# Altium PCB Motor_Controller_v2_1b.PcbDoc (part 1 of 2) (continued)
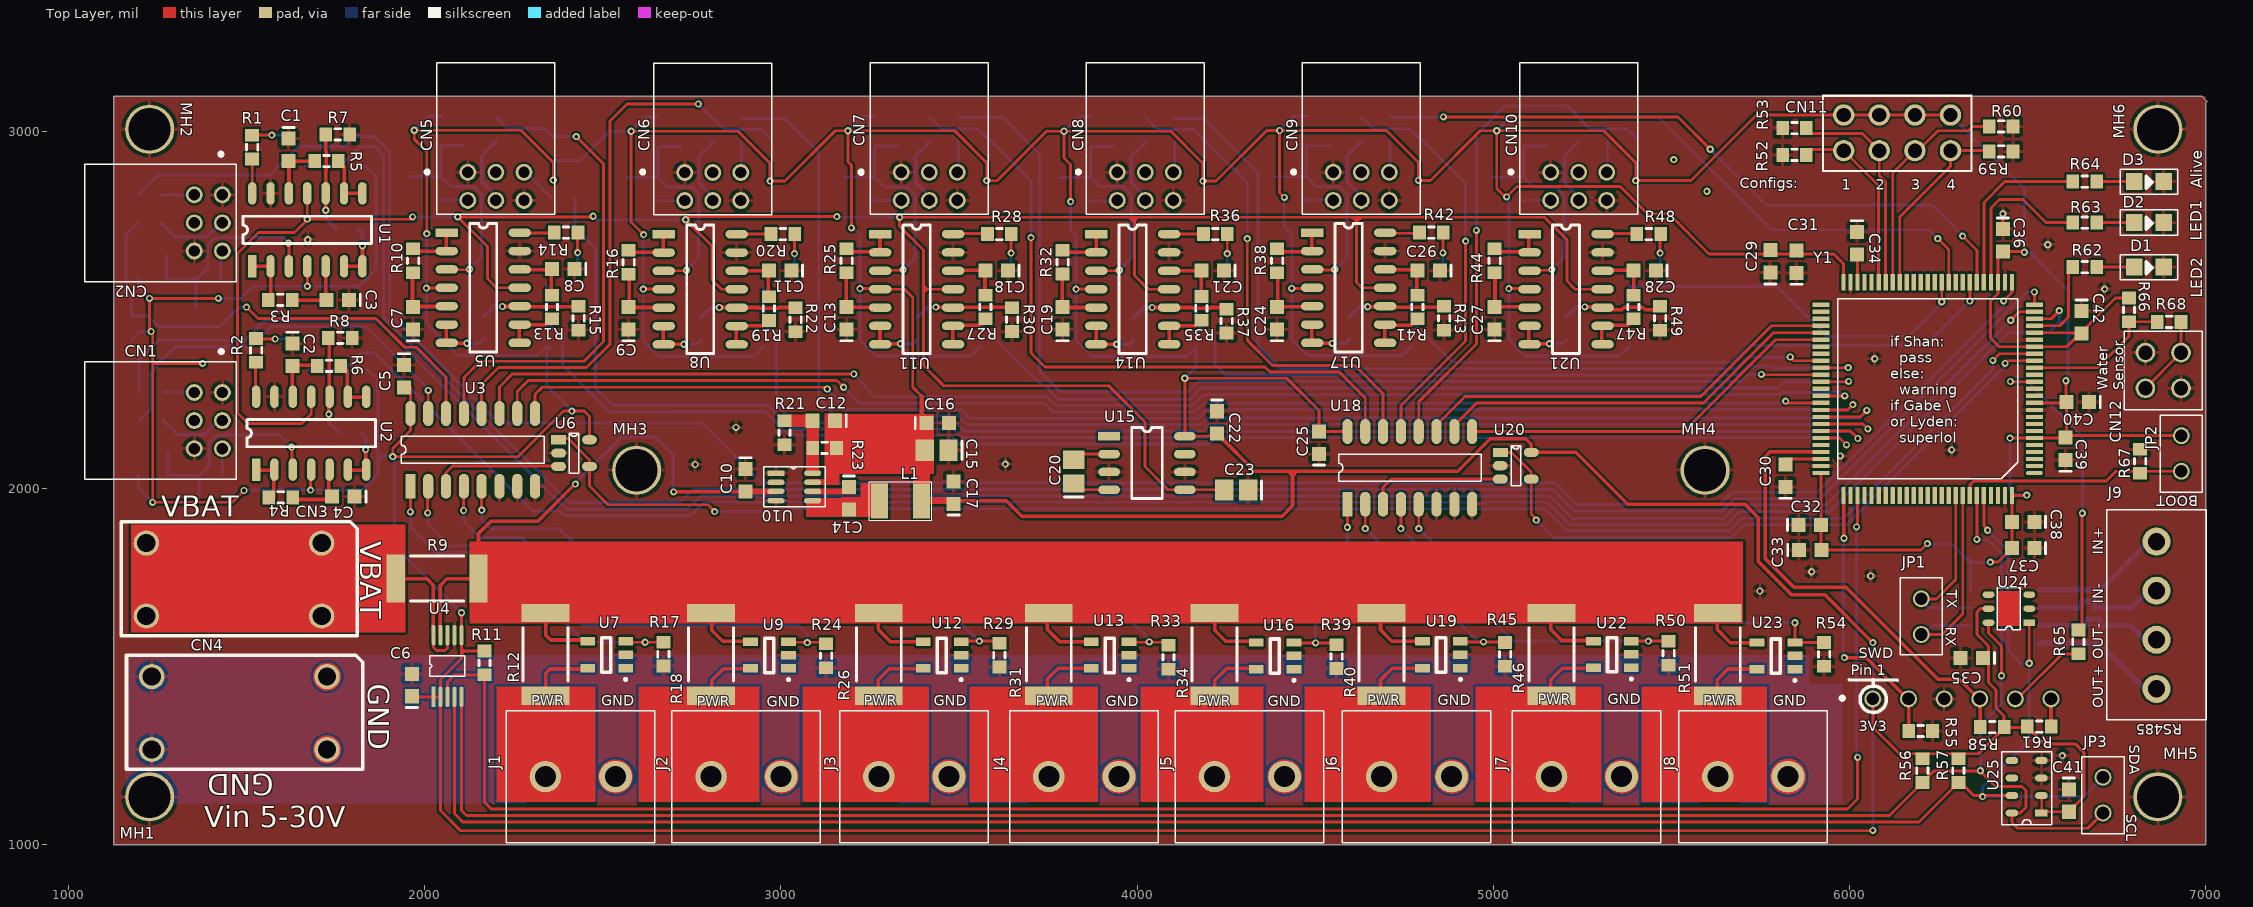
[diagram p0: Top Layer view]
## Components (designator, comment, footprint, x,y, rotation, side; value= is the part's Value field where it differs from the comment) (continued)
R53 "10k" "RESC1608N(0603\")" 5845,3010 r0 top (schematic designator R3)
R54 "20kR" "RESC1608N(0603\")" 5928,1533 r90 top
R55 "10k" "RESC1608N(0603\")" 6199.05,1318 r180 top (schematic designator R19)
R56 "10k" "RESC1608N(0603\")" 6204,1207 r90 top (schematic designator R8)
R57 "10k" "RESC1608N(0603\")" 6305,1207 r90 top (schematic designator R9)
R58 "10k" "RESC1608N(0603\")" 6400,1329 r0 top (schematic designator R20)
R59 "10k" "RESC1608N(0603\")" 6425,2945 r180 top (schematic designator R1)
R60 "10k" "RESC1608N(0603\")" 6425,3015 r180 top (schematic designator R2)
R61 "10k" "RESC1608N(0603\")" 6532,1330 r180 top (schematic designator R22)
R62 "715R" "RESC1608N(0603\")" 6660,2620 r180 top (schematic designator R26)
R63 "715R" "RESC1608N(0603\")" 6660,2745 r180 top (schematic designator R23)
R64 "715R" "RESC1608N(0603\")" 6660,2860 r180 top (schematic designator R24)
R65 "10k" "RESC1608N(0603\")" 6642,1568 r90 top (schematic designator R28)
R66 "100k" "RESC1608N(0603\")" 6784,2500 r270 top (schematic designator R25)
R67 "10k" "RESC1608N(0603\")" 6815,2075 r270 top (schematic designator R27)
R68 "10k" "RESC1608N(0603\")" 6896.54,2466.54 r0 top (schematic designator R29)
R69 "10k" "RESC1608N(0603\")" 5400.76,2952.98 r270 bottom
R70 "10k" "RESC1608N(0603\")" 5381.08,2433.29 r270 bottom
R71 "10k" "RESC1608N(0603\")" 5318.09,3008.09 r270 bottom
R72 "1k" "RESC1608N(0603\")" 5239.35,3008.09 r270 bottom
R73 "100k" "RESC1608N(0603\")" 5085.8,2838.8 r270 bottom
R74 "10k" "RESC1608N(0603\")" 4999.19,2905.73 r270 bottom
R75 "10k" "RESC1608N(0603\")" 4790.53,2952.98 r270 bottom (schematic designator R69)
R76 "10k" "RESC1608N(0603\")" 4770.84,2433.29 r270 bottom (schematic designator R70)
R77 "10k" "RESC1608N(0603\")" 4707.85,3008.09 r270 bottom (schematic designator R71)
R78 "1k" "RESC1608N(0603\")" 4629.11,3008.09 r270 bottom (schematic designator R72)
R79 "100k" "RESC1608N(0603\")" 4475.57,2838.8 r270 bottom (schematic designator R73)
R80 "10k" "RESC1608N(0603\")" 4388.95,2905.73 r270 bottom (schematic designator R74)
R81 "10k" "RESC1608N(0603\")" 4184.23,2949.04 r270 bottom (schematic designator R69)
R82 "10k" "RESC1608N(0603\")" 4164.54,2429.35 r270 bottom (schematic designator R70)
R83 "10k" "RESC1608N(0603\")" 4105.49,3004.16 r270 bottom (schematic designator R71)
R84 "1k" "RESC1608N(0603\")" 4022.81,3004.16 r270 bottom (schematic designator R72)
R85 "100k" "RESC1608N(0603\")" 3869.27,2838.8 r270 bottom (schematic designator R73)
R86 "10k" "RESC1608N(0603\")" 3774.78,2901.8 r270 bottom (schematic designator R74)
R87 "10k" "RESC1608N(0603\")" 3577.93,2952.98 r270 bottom (schematic designator R69)
R88 "10k" "RESC1608N(0603\")" 3558.24,2429.35 r270 bottom (schematic designator R70)
R89 "10k" "RESC1608N(0603\")" 3499.19,3008.09 r270 bottom (schematic designator R71)
R90 "1k" "RESC1608N(0603\")" 3416.51,3008.09 r270 bottom (schematic designator R72)
R91 "100k" "RESC1608N(0603\")" 3262.97,2838.8 r270 bottom (schematic designator R73)
R92 "10k" "RESC1608N(0603\")" 3176.35,2905.73 r270 bottom (schematic designator R74)
R93 "10k" "RESC1608N(0603\")" 2970.29,2948.69 r270 bottom (schematic designator R69)
R94 "10k" "RESC1608N(0603\")" 2950.6,2429.01 r270 bottom (schematic designator R70)
R95 "10k" "RESC1608N(0603\")" 2891.55,3003.81 r270 bottom (schematic designator R71)
R96 "1k" "RESC1608N(0603\")" 2808.87,3003.81 r270 bottom (schematic designator R72)
R97 "100k" "RESC1608N(0603\")" 2655.33,2838.46 r270 bottom (schematic designator R73)
R98 "10k" "RESC1608N(0603\")" 2568.71,2905.39 r270 bottom (schematic designator R74)
R99 "10k" "RESC1608N(0603\")" 2389,2815 r180 bottom (schematic designator R71)
R100 "10k" "RESC1608N(0603\")" 2361.39,2952.97 r270 bottom (schematic designator R69)
R101 "10k" "RESC1608N(0603\")" 2341.71,2433.28 r270 bottom (schematic designator R70)
R102 "1k" "RESC1608N(0603\")" 2199.98,3008.09 r270 bottom (schematic designator R72)
R103 "100k" "RESC1608N(0603\")" 2046.43,2838.8 r270 bottom (schematic designator R73)
R104 "10k" "RESC1608N(0603\")" 1959.82,2905.72 r270 bottom (schematic designator R74)
R105 "10k" "RESC1608N(0603\")" 1806.35,2331.13 r0 bottom (schematic designator R70)
R106 "10k" "RESC1608N(0603\")" 1799.28,2905.87 r0 bottom (schematic designator R70)
R107 "100k" "RESC1608N(0603\")" 1400.83,2035.86 r0 bottom (schematic designator R73)
R108 "100k" "RESC1608N(0603\")" 1393.83,2586.65 r0 bottom (schematic designator R73)
R109 "10k" "RESC1608N(0603\")" 1334,1965 r0 bottom (schematic designator R74)
R110 "10k" "RESC1608N(0603\")" 1324,2505 r0 bottom (schematic designator R74)
R111 "10k" "RESC1608N(0603\")" 1286.66,2350.82 r0 bottom (schematic designator R69)
R112 "1k" "RESC1608N(0603\")" 1231.54,2189.4 r0 bottom (schematic designator R72)
R113 "10k" "RESC1608N(0603\")" 1231.54,2268.14 r0 bottom (schematic designator R71)
R114 "1k" "RESC1608N(0603\")" 1228.48,2744.13 r0 bottom (schematic designator R72)
R115 "10k" "RESC1608N(0603\")" 1228.48,2822.87 r0 bottom (schematic designator R71)
R116 "10k" "RESC1608N(0603\")" 1177,2449 r270 bottom (schematic designator R69)
U1 "Quad Op Amp TSV324" SOP-14 1515.82,2622.4 r90 top (schematic designator U21)
U2 "Quad Op Amp TSV324" SOP-14 1526.82,2051.61 r90 top (schematic designator U21)
U3 "8:1 ADC Multiplexer" SOIC-16 1960,2005 r90 top (schematic designator U12)
U4 "High side current sensor" MSOP-10 2024.63,1413.77 r90 top (schematic designator U6)
U5 "Quad Op Amp TSV324" SOP-14 2062.18,2716.75 r0 top (schematic designator U21)
U6 "Op amp 1.8-6V rail-to-rail (SOT23-5)" SOT23-5#1 2376,2135.4 r0 top (schematic designator U14)
U7 "ZXCT1110W5-7, Current Sensor, High-Side, Analog" SOT23-5#2 2511,1532 r90 top (schematic designator U23)
U8 "Quad Op Amp TSV324" SOP-14 2671.08,2712.47 r0 top (schematic designator U21)
U9 "ZXCT1110W5-7, Current Sensor, High-Side, Analog" SOT23-5#2 2968,1531 r90 top (schematic designator U23)
U10 "4-40V Buck" TSOT-23-8 2986,2041.59 r0 top (schematic designator U2)
U11 "Quad Op Amp TSV324" SOP-14 3278.72,2712.82 r0 top (schematic designator U21)
U12 "ZXCT1110W5-7, Current Sensor, High-Side, Analog" SOT23-5#2 3452.85,1531 r90 top (schematic designator U23)
U13 "ZXCT1110W5-7, Current Sensor, High-Side, Analog" SOT23-5#2 3924,1531 r90 top (schematic designator U23)
U14 "Quad Op Amp TSV324" SOP-14 3885.02,2712.82 r0 top (schematic designator U21)
U15 "CMOS Voltage Converter" 8-SOIC 3921.14,2145.19 r0 top (schematic designator U1)
U16 "ZXCT1110W5-7, Current Sensor, High-Side, Analog" SOT23-5#2 4387,1529 r90 top (schematic designator U23)
U17 "Quad Op Amp TSV324" SOP-14 4491.31,2716.76 r0 top (schematic designator U21)
U18 "8:1 ADC Multiplexer" SOIC-16 4590.24,1954.49 r90 top (schematic designator U11)
U19 "ZXCT1110W5-7, Current Sensor, High-Side, Analog" SOT23-5#2 4854,1532 r90 top (schematic designator U23)
U20 "Op amp 1.8-6V rail-to-rail (SOT23-5)" SOT23-5#1 5019.39,2100 r0 top (schematic designator U13)
U21 "Quad Op Amp TSV324" SOP-14 5101.55,2712.82 r0 top
U22 "ZXCT1110W5-7, Current Sensor, High-Side, Analog" SOT23-5#2 5334,1533 r90 top (schematic designator U23)
U23 "ZXCT1110W5-7, Current Sensor, High-Side, Analog" SOT23-5#2 5793,1529 r90 top
U24 "I2C Humidity and Temperature Sensor" QFN-6 6504,1622 r180 top (schematic designator U5)
U25 "Pressure Sensor" "TE Pressure Sensor (MS560702BA03-50)" 6538,1087.57 r180 top (schematic designator U3)
U26 "Full duplex Intersil UART - RS485" SOIC-SN8_M 6435.13,1639.15 r0 bottom (schematic designator U8)
Y1 "STM32F413VGT6" STM-LQFP100_M 6518.26,2042.23 r180 top

## Footprints (in the part's own frame and the unit in brackets; to place one, negate y for a bottom-side part, rotate by r counter-clockwise, add the part's x,y. Pads: shape width x height; smd on the part's side, far side on the other; paste and mask are expansions set on the pad)
"1X1, PHOENIX CONTACT 1704837,THT" [mm]
  round 1.8 hole 1.3: 1(0,5.2) 1(0,0) 1(12.5,0) 1(12.5,5.2)
  silkscreen extent -2.54,-1.52 14.3,6.6, body extent -1.37,-1.8 13.57,6.9, height 10.8
"2X1 MALES HEADER" [mm]
  round 1.2 hole 0.9: 1(0,0) 2(2.54,0)
  silkscreen extent -1.5,-1.5 4,1.5, body extent -1.27,-1.24 3.81,1.25, height 8.54
"2X1 Males Header" [mm]
  round 1.2 hole 0.9: 1(0,0) 2(2.54,0)
  silkscreen extent -1.5,-1.5 4,1.5, body extent -1.27,-1.24 3.81,1.25, height 8.54
"2X1 TERMINAL BLOCKS PHOENIX CONTACT 5MM" [mm]
  oval 2.35x2.25 hole 1.5: 1(0,0)
  round 2.25 hole 1.5: 2(5,0)
  silkscreen extent -2.8,-4.7 7.8,4.7, body extent -2.5,-4.5 7.5,4.5, height 14.05
"4X1 TERMINAL BLOCK" [mm] "ED2742-ND"
  round 2 hole 1.24: 1(-5.25,0) 2(-1.75,0) 3(1.75,0) 4(5.25,0)
  silkscreen extent -7.54,-3.56 7.45,3.56, body extent -7.54,-3.5 7.45,3.5, height 8.4
8-SOIC [mm]
  rect 1.55x0.6 smd: 1(0,0)
  oval 1.55x0.6 smd: 2(0,-1.27) 3(0,-2.54) 4(0,-3.81) 5(5.4,-3.81) 6(5.4,-2.54) 7(5.4,-1.27) 8(5.4,0)
  silkscreen extent 1.61,-4.44 3.79,0.64, body extent 1.61,-4.45 3.79,0.64, height 1.8
"CAPC1608N(0603\")" [mm] "Chip Capacitor, Body 1.6x0.8mm (0603\"), IPC Medium Density"
  rect 1x1 smd: 1(-0.8,0) 2(0.8,0)
  silkscreen extent -1.6,-0.4 -1.6,0.4, body extent -0.8,-0.4 0.8,0.4, height 0.9
"CAPC2012N(0805\")" [mm] "Chip Capacitor, Body 2.0x1.3mm (0805\"), IPC Medium Density"
  rect 1.3x1.5 smd: 1(-0.85,0) 2(0.85,0)
  silkscreen extent -1.8,-0.65 -1.8,0.65, body extent -1,-0.62 1,0.63, height 1
"CB - 1007 (2518)" [mm]
  rect 1.2x2.5 smd: 1(-1.5,0) 2(1.5,0)
  silkscreen extent -2.22,-1.38 2.22,1.38
"HEADER, FEMALE, 2X2, THT" [mil]
  round 55 hole 40: 1(0,100) 2(0,0) 3(100,0) 4(100,100)
  silkscreen extent -60,-60 160,160, body extent -50,-53 150,147, height 335
"HEADER, FEMALE, RT ANG, 0.1\", 1X6" [mm]
  round 1.2 hole 0.9: 1(0,0) 2(2.54,0) 3(5.08,0) 4(7.62,0) 5(10.16,0) 6(12.7,0)
  silkscreen extent -1.5,-1.5 14.3,10.1
"Header, Male, 2x4, Pitch: 0.1\" (2.54mm),THT" [mil]
  round 60 hole 40: 1(-100,0) 2(0,0) 3(100,0) 4(200,0) 5(200,-100) 6(100,-100) 7(0,-100) 8(-100,-100)
  silkscreen extent -157,-157 259,54, body extent -150,-149 250,47, height 338
"HEADER, MALE, SHROUDED, 6POS, 2MM, RT ANG,THT" [mm]
  round 1.2 hole 0.81: 1(-2,0) 2(0,0) 3(2,0) 4(2,-2) 5(0,-2) 6(-2,-2)
  silkscreen extent -4.2,-3 4.2,7.8, body extent -4,-2.4 4,7.6, height 5.16
LED0805 [mm]
  rect 1.2x1.2 smd: 1(1.05,0) 2(-1.05,0)
  silkscreen extent -2.05,-0.9 2.05,0.9
Mount-Hole_3mm [mm]
  round 3.5 hole 3: 1(0,0)
MOUNT-HOLE_3MM [mm]
  round 3.5 hole 3: 1(0,0)
MSOP-10 [mm]
  rect 1.45x0.3 smd: 1(0,0)
  oval 1.45x0.3 smd: 2(0,-0.5) 3(0,-1) 4(0,-1.5) 5(0,-2) 6(4.4,-2) 7(4.4,-1.5) 8(4.4,-1) 9(4.4,-0.5) 10(4.4,0)
  silkscreen extent 1.46,-2.25 2.94,0.25, body extent -0.31,-2.5 4.71,0.5, height 1.03
QFN-6 [mm]
  rect 0.85x0.45 smd: 1(0,0)
  oval 0.85x0.45 smd: 2(0,-1) 3(0,-2) 4(2.9,-2) 5(2.9,-1) 6(2.9,0)
  Top Layer region: 0.7,-2.25 2.3,-2.25 2.3,0.25 0.7,0.25
  silkscreen extent 0.65,-2.5 2.3,0.5
"RESC1608N(0603\")" [mm] "Chip Resistor, Body 1.6x0.8mm (0603\"), IPC Medium Density"
  rect 0.9x1 smd: 1(-0.85,0) 2(0.85,0)
  silkscreen extent -0.2,-0.4 0.2,0.4, body extent -0.77,-0.42 0.78,0.43, height 0.44
"RESC6332N(2512\")" [mm] "Chip Resistor, Body 6.3x3.2mm (2512\"), IPC Medium Density"
  rect 1.3x3.4 smd: 1(-2.95,0) 2(2.95,0)
  silkscreen extent -1.9,-1.6 1.9,1.6, body extent -3.2,-1.6 3.2,1.6, height 0.6
SC-76 [mm]
  rect 0.8x0.6 smd: A(-1.05,0) K(1.05,0)
  silkscreen extent -1.65,-0.5 1.65,0.5, body extent -1.25,-0.65 1.25,0.6, height 0.9
SOIC-16 [mm]
  rect 1.78x0.72 smd: 1(0,0)
  oval 1.78x0.72 smd: 2(0,-1.27) 3(0,-2.54) 4(0,-3.81) 5(0,-5.08) 6(0,-6.35) 7(0,-7.62) 8(0,-8.89) 9(5.19,-8.89) 10(5.19,-7.62) 11(5.19,-6.35) 12(5.19,-5.08) 13(5.19,-3.81) 14(5.19,-2.54) 15(5.19,-1.27) 16(5.19,0)
  silkscreen extent 1.62,-9.53 3.57,0.64, body extent -0.42,-9.6 5.58,0.6, height 1.7
SOIC-SN8_M [mm] "SOIC, 8-Leads, Body 4.9x3.8mm, Pitch 1.27mm, IPC Low Density"
  oval 2.5x0.7 smd: 1(-2.45,-1.905) 2(-2.45,-0.635) 3(-2.45,0.635) 4(-2.45,1.905) 5(2.45,1.905) 6(2.45,0.635) 7(2.45,-0.635) 8(2.45,-1.905)
  silkscreen extent -2.57,-2.93 0.8,2.5, body extent -2,-2.5 2,2.5, height 1.75
SOP-14 [mm]
  rect 1.6x0.6 smd: 1(0,0)
  oval 1.6x0.6 smd: 2(0,-1.31) 3(0,-2.62) 4(0,-3.93) 5(0,-5.24) 6(0,-6.55) 7(0,-7.86) 8(5.2,-7.86) 9(5.2,-6.55) 10(5.2,-5.24) 11(5.2,-3.93) 12(5.2,-2.62) 13(5.2,-1.31) 14(5.2,0)
  silkscreen extent 1.63,-8.51 3.57,0.65, body extent -0.28,-8.52 5.46,0.66, height 1.8
SOT23-5#1 [mm]
  rect 1.06x0.65 smd: 1(0,0)
  oval 1.06x0.65 smd: 2(0,-0.95) 3(0,-1.9) 4(2.2,-1.9) 5(2.2,0)
  silkscreen extent 0.76,-2.38 1.45,0.48, body extent -0.18,-2.44 2.32,0.56, height 1.05
SOT23-5#2 [mm] "SOT23-5 SMT"
  rect 0.6x1.05 smd: 1(-0.95,-1.35) 2(0,-1.35) 3(0.95,-1.35) 4(0.95,1.35) 5(-0.95,1.35)
  silkscreen extent -1.8,-1.4 1.2,0.35
SOT-23 [mm]
  rect 1x0.7 smd: 1(-0.1,0)
  oval 1x0.7 smd: 2(-0.1,-1.9) 3(2.1,-0.95)
  silkscreen extent 0.7,-2.38 1.3,0.48, body extent -0.25,-2.4 2.25,0.6, height 1.06
STM-LQFP100_M [mm]
  oval 1.2x0.3 smd: 1(0,0)
  rect 1.2x0.3 smd: 2(0,-0.5) 3(0,-1) 4(0,-1.5) 5(0,-2) 6(0,-2.5) 7(0,-3) 8(0,-3.5) 9(0,-4) 10(0,-4.5) 11(0,-5) 12(0,-5.5) 13(0,-6) 14(0,-6.5) 15(0,-7) 16(0,-7.5) 17(0,-8) 18(0,-8.5) 19(0,-9) 20(0,-9.5) 21(0,-10) 22(0,-10.5) 23(0,-11) 24(0,-11.5) 25(0,-12) 51(15.2,-12) 52(15.2,-11.5) 53(15.2,-11) 54(15.2,-10.5) 55(15.2,-10) 56(15.2,-9.5) 57(15.2,-9) 58(15.2,-8.5) 59(15.2,-8) 60(15.2,-7.5) 61(15.2,-7) 62(15.2,-6.5) 63(15.2,-6) 64(15.2,-5.5) 65(15.2,-5) 66(15.2,-4.5) 67(15.2,-4) 68(15.2,-3.5) 69(15.2,-3) 70(15.2,-2.5) 71(15.2,-2) 72(15.2,-1.5) 73(15.2,-1) 74(15.2,-0.5) 75(15.2,0)
  rect 0.3x1.2 smd: 26(1.6,-13.6) 27(2.1,-13.6) 28(2.6,-13.6) 29(3.1,-13.6) 30(3.6,-13.6) 31(4.1,-13.6) 32(4.6,-13.6) 33(5.1,-13.6) 34(5.6,-13.6) 35(6.1,-13.6) 36(6.6,-13.6) 37(7.1,-13.6) 38(7.6,-13.6) 39(8.1,-13.6) 40(8.6,-13.6) 41(9.1,-13.6) 42(9.6,-13.6) 43(10.1,-13.6) 44(10.6,-13.6) 45(11.1,-13.6) 46(11.6,-13.6) 47(12.1,-13.6) 48(12.6,-13.6) 49(13.1,-13.6) 50(13.6,-13.6) 76(13.6,1.6) 77(13.1,1.6) 78(12.6,1.6) 79(12.1,1.6) 80(11.6,1.6) 81(11.1,1.6) 82(10.6,1.6) 83(10.1,1.6) 84(9.6,1.6) 85(9.1,1.6) 86(8.6,1.6) 87(8.1,1.6) 88(7.6,1.6) 89(7.1,1.6) 90(6.6,1.6) 91(6.1,1.6) 92(5.6,1.6) 93(5.1,1.6) 94(4.6,1.6) 95(4.1,1.6) 96(3.6,1.6) 97(3.1,1.6) 98(2.6,1.6) 99(2.1,1.6) 100(1.6,1.6)
  silkscreen extent 1.18,-12.41 14.01,0.42, body extent -0.4,-14 15.6,2, height 1.6
"TE Pressure Sensor (MS560702BA03-50)" [mm]
  rect 0.9x0.5 smd: 1(0,0)
  oval 0.9x0.5 smd: 2(0,-1.25) 3(0,-2.5) 4(0,-3.75) 5(2.1,-3.75) 6(2.1,-2.5) 7(2.1,-1.25) 8(2.1,0)
  silkscreen extent -0.72,-4.38 2.83,0.82
TSOT-23-8 [mm]
  rect 1.22x0.4 smd: 1(0,0)
  oval 1.22x0.4 smd: 2(0,-0.65) 3(0,-1.3) 4(0,-1.95) 5(2.62,-1.95) 6(2.62,-1.3) 7(2.62,-0.65) 8(2.62,0)
  silkscreen extent -0.87,-2.37 3.52,0.48, body extent 0,-2.43 2.8,0.48, height 1

## Part data
C1 C2 C3 C4 C7 C8 C9 C11 C13 C18 C19 C21 C24 C26 C27 C28 C44 C45 C46 C47 C48 C49 C50 C51: "CAP CER 0.1UF 50V 10% X7R 1608 (0603)", Capacitance=0.1µF, Manufacturer="Samsung Electro-Mechanics America, Inc", Manufacturer Part Number=CL10B104KB8SFNC, Operating Temperature="-55°C ~ 125°C", Package / Case="0603 (1608 Metric)", Ratings=-, Supplier Part Number 1=1276-1936-1-ND, Temperature Coefficient=X7R, Tolerance=±10%, Voltage - Rated=50V, Applications="Boardflex Sensitive", Category=Capacitors, ComponentLink1Description=http://www.samsungsem.com/servlet/FileDownload?type=spec&file=CL10B104KB8SFNC.pdf, ComponentLink1URL=http://www.samsungsem.com/servlet/FileDownload?type=spec&file=CL10B104KB8SFNC.pdf, Features="Soft Termination", Height - Seated (Max)=-, Lead Spacing=-, Lead Style=-, Mounting Type="Surface Mount, MLCC", Packaging="Cut Tape (CT)", Pricing 1="1=0.12, 10=0.033, 25=0.0232, 100=0.0152, 500=0.01064, 1000=0.00829 (CAD)", RoHS="RoHS Compliant", Size / Dimension="0.063\" L x 0.031\" W (1.60mm x 0.80mm)", Stock 1=743572, Supplier 1=Digi-Key, Thickness (Max)="0.035\" (0.90mm)"
C5 C6 C16 C17 C25 C29 C31 C35 C36 C37 C38 C40 C41 C42 C43: library part "0.1uF 100V 0603 SMD, Ceramic", "Capacitor, Ceramic, 100V, +/- 10%, 0603 SMD, X7R", Supplier Part Number 1=445-6938-1-ND, Created By="Ashwin Sira", MFG=TDK, MFG#=CGA3E3X7S2A104K080AB, PackageDescription="Chip Capacitor", Published=16-04-26, Publisher=AUVic, Supplier 1=Digi-Key
C10 C22 C32 C33 C39: library part "1uF 25V 0603 SMD, Ceramic", "Capacitor, Ceramic, 25V, +/- 10%, 0603 SMD, X5R", Supplier Part Number 1=490-3897-1-ND, Created By="Andy Bates", MFG=Murata-Electronics-North-America, MFG#=GRM188R61E105KA12D, PackageDescription="Chip Capacitor", Published=16-06-27, Publisher=AUVic, Supplier 1=Digi-Key
C12: library part "22pF 50V 0603 SMD, Ceramic", "Capacitor, Ceramic, 50V, +/-5%, 0603 SMD, X7R", Supplier Part Number 1=478-1167-1-ND, Created By="Andy Bates", Created on=2017-10-22, Supplier 1=Digi-Key
C14: library part "0.022uF 50V 0603 SMD, Ceramic", "Capacitor, Ceramic, 50V, +/-10%, 0603 SMD, X7R", Supplier Part Number 1=1276-1104-1-ND, Created By="Andy Bates", Created on=2017-10-22, Supplier 1=Digi-Key
C15: library part "22uF 35V 0805 SMD, Ceramic", "Capacitor, Ceramic, 35V, +/- 20%, 0805 SMD, X5R", Supplier Part Number 1=445-14428-1-ND, PackageDescription="Chip Capacitor", Published=14-06-01, Publisher=AUVic, Supplier 1=Digi-Key
C20 C23: library part "10uF 10V 0805 SMD, Ceramic", "Capacitor, Ceramic, 10V, +/- 10%, 0805 SMD, X5R", Supplier Part Number 1=490-4735-1-ND, Made By="Andy Bates", PackageDescription="Chip Capacitor", Published=14-06-23, Publisher=AUVic, Supplier 1=Digi-Key
C30 C34: library part "2.2uF, 50V, 0603 SMD, X5R, Ceramic", "Capacitor, Ceramic, 50V, 10%, 0603 SMD, X5R", Supplier Part Number 1=490-10733-1-ND, PackageDescription="Chip Capacitor", Publisher=AUVic, Supplier 1=Digi-Key
CN1 CN2 CN5 CN6 CN7 CN8 CN9 CN10: library part "Header, Male, 2x3 Conn, Shrouded, THT, 2MM RT ANG TIN", "Header, Male, 2x3, Pitch: 0.1\" (2.54mm), THT", Supplier Part Number 1=H10245-ND, Created By="Andy Bates", Date Published=2017-09-13, Publisher=AUVic, Supplier 1=Digi-Key
CN3 CN4: library part "1x1, Phoenix Contact 1704837,THT", "1x1, Phoenix Contact 1704837,THT", Supplier Part Number 1=277-10194-1-ND, Date Published=2018-01-21, Publisher="Andy Bates", Supplier 1=Digi-Key
CN12: library part "Header, Female, 2x2", "2x2, Pads Pitch: 0.1\" (2.54mm), Through hole", Supplier Part Number 1=S7105-ND, Made Bates="Andy Bates", Supplier 1=Digi-Key
CN13: library part "Header, Female, 1x6,THT", "1x4, Pads Pitch: 0.1\" (2.54mm), RT Ang, Through hole", Supplier Part Number 1=S5481-ND, Made Bates="Andy Bates", Supplier 1=Digi-Key
D1: library part "LED, 0805 (2012), Blue, Clear", "LED, 0805 (2012), Blue, Clear", Colour=Red, Supplier Part Number 1=732-4982-1-ND, Created By="Ashwin Sira", Supplier 1=Digi-Key
D2: library part "LED, 0805 (2012), Red, Clear", "LED, 0805 (2012), Red, Clear", Supplier Part Number 1=732-4984-1-ND, Colour=Red, Created By="Ashwin Sira", Supplier 1=Digi-Key
D3: library part "LED, 0805 (2012), Green, Clear", "LED, 0805 (2012), Green, Clear", Supplier Part Number 1=475-1410-1-ND, Colour=Green, Created By="Andy Bates", Supplier 1=Digi-Key
D4 D5 D6 D7 D8 D9 D10 D11 D12 D13 D14 D15 D16 D17 D18 D19: "Diode, Schottky, 30V, 800mA", Created By="Andy Bates", Date Created=2016-09-09, Publisher=AUVic, Supplier 1=Digi-Key, Supplier Part Number 1=CUS08F30H3FCT-ND
J1 J2 J3 J4 J5 J6 J7 J8: library part "2x1 Terminal Block, 20A, 12-20AWG", Supplier Part Number 1=277-6405-ND, Date Made=2017-11-14, Made By="Andy Bates", Supplier 1=Digi-Key
J9: library part "4x1 Terminal Block", Supplier Part Number 1=ED2742-ND, Made By="Andy Bates", Supplier 1=Digikey
JP1 JP2 JP3: library part "1x2 Male Header", Supplier Part Number 1=952-3073-ND, Made By="Andy Bates", Supplier 1=Digi-Key
L1: library part "33µH 270mA 1.95Ohm", "33µH 270mA 1.95Ohm", Supplier Part Number 1=587-3058-1-ND, Created By="Andy Bates", Created on=2017-06-05, Supplier 1=Digi-Key
MH1 MH2 MH3 MH4 MH5 MH6: library part Mount_Hole_3mm
Q1 Q2 Q3 Q4 Q5 Q6 Q7 Q8: "NPN 65V 100mA 250mW", Supplier Part Number 1=568-1632-1-ND, DatasheetVersion=1997, LatestRevisionDate=09-Sep-2016, Published=8-Jun-2000, Publisher="Andy Bates", Supplier 1=Digi-Key
R1 R2 R14 R20 R28 R36 R42 R48 R66 R73 R79 R85 R91 R97 R103 R107 R108: library part "100kR, 1%, 1/10W, 0603 SMD", "100kR, 1%, 1/10W, 0603 SMD", Supplier Part Number 1=311-100KGRCT-ND, Created on=14-06-30, Last Edited=14-06-30, Made By="Andy Bates", Owned By=AUVic, Supplier 1=Digi-Key
R3 R4 R10 R16 R25 R32 R38 R44: library part "11kR, 1%, 1/10W, 0603 SMD", "11kR, 1%, 1/10W, 0603 SMD", Supplier Part Number 1=311-11.0KHRCT-ND, Created on=14-05-31, Last Edited=14-05-31, Made By="Ashwin Sira", Owned By=AUVic, Supplier 1=Digi-Key
R5 R6 R7 R8 R13 R15 R19 R22 R27 R30 R35 R37 R41 R43 R47 R49: library part "16kR, 1%, 1/10W, 0603 SMD", "16kR, 1%, 1/10W, 0603 SMD", Supplier Part Number 1=311-16.0KHRCT-ND, Created on=14-05-31, Last Edited=14-05-31, Made By="Ashwin Sira", Owned By=AUVic, Supplier 1=Digi-Key
R9: library part "0R0005, 1%, 3W, 2512 SMD", "0R0005, 1%, 3W, 2512 SMD", Supplier Part Number 1=696-1183-1-ND, Created By="Ashwin Sira", Created on=2016-04-28, Last_Revision_By="Ashwin Sira", Last_Revision_Date=2016-04-28, Last_Revision_Note=Made, MFG=Riedon, MFG#=CSR2512C0R0005F, Publisher=AUVic, Supplier 1=Digi-Key
R11 R52 R53 R55 R56 R57 R58 R59 R60 R61 R65 R67 R68 R69 R70 R71 R74 R75 R76 R77 R80 R81 R82 R83 R86 R87 R88 R89 R92 R93 R94 R95 R98 R99 R100 R101 R104 R105 R106 R109 R110 R111 R113 R115 R116: library part "10kR, 1%, 1/10W, 0603 SMD", "10kR, 1%, 1/10W, 0603 SMD", Supplier Part Number 1=311-10.0KHRCT-ND, Created on=14-05-31, Last Edited=14-05-31, Made By="Ashwin Sira", Owned By=AUVic, Supplier 1=Digi-Key
R12 R18 R26 R31 R34 R40 R46 R51: library part "0R005, 1%, 3W, 2512 SMD", "0R005, 1%, 3W, 2512 SMD", Supplier Part Number 1=CRE2512-FZ-R005E-3CT-ND, Created By="Andy Bates", Created on=10-Nov-2017, MFG=Riedon, Publisher=AUVic, Supplier 1=Digi-Key
R17 R24 R29 R33 R39 R45 R50 R54: library part "20k, 1%, 1/10W, 0603, SMD", "20k, 1%, 1/10W, 0603, SMD", Supplier Part Number 1=311-20.0KHRCT-ND, Created By="Andy Bates", Date Created=2016-09-8, Publisher=AUVic, Supplier 1=Digi-Key
R21: library part "200kR, 1%, 1/10W, 0603 SMD", "200kR, 1%, 1/10W, 0603 SMD", Supplier Part Number 1=541-200KHCT-ND, Created on=14-07-10, Made By="Ashwin Sira", Owned By=AUVic, Supplier 1=Digi-Key
R23: library part "324kR, 1%, 1/10W, 0603 SMD", "324kR, 1%, 1/10W, 0603 SMD", Supplier Part Number 1=311-324KHRCT-ND, Created on=14-05-31, Last Edited=14-05-31, Made By="Andy Bates", Owned By=AUVic, Supplier 1=Digi-Key
R62 R63 R64: library part "715R, 1%, 1/10W, 0603, SMD", "715R, 1%, 1/10W, 0603, SMD", Supplier Part Number 1=541-715HCT-ND, Created By="Ashwin Sira", Date Created=2016-06-10, Publisher=AUVic, Supplier 1=Digi-Key
R72 R78 R84 R90 R96 R102 R112 R114: library part "1kR, 1%, 1/10W , 0603, SMD", "1kR, 1%, 1/10W , 0603, SMD", Supplier Part Number 1=311-1.00KHRCT-ND, Created By="Andy Bates", Date Created=2017-05-10, Publisher=AUVic, Supplier 1=Digikey
U1 U2 U5 U8 U11 U14 U17 U21: "TSV324", Supplier Part Number=497-8198-2-ND, Created By=Jordan, Creation Date=10/14/2016, LatestRevisionNote="Re-released for DXP Platform.", Publisher="Altium Limited", Supplier=Digikey
U3 U18: library part 74HC4051D,653, Supplier Part Number 1=1727-2807-1-ND, Created on=2019/09/08, Made By="Andy Bates", Supplier 1=Digi-Key
U4: library part "INA226AIDGSR, Current Sensor, High Side", "0-36V High side current sensor", Supplier Part Number 1=296-29034-1-ND, Created on=2016-09-06, Made By="Andy Bates", Supplier 1=Digi-Key
U6 U20: Supplier Part Number 1=MCP6001T-I/OTCT-ND, Created on=05/10/2017, Made By="Andy Bates", Supplier 1=Digi-Key
U7 U9 U12 U13 U16 U19 U22 U23: "Diodes Incorporated, ZXCT1110W5-7", Supplier Part Number 1=ZXCT1110W5-7DICT-ND, Created By="Jacob Lower", Created on=2016-03-16, Publisher=AUVic, Supplier 1=Digi-Key
U10: library part LT3470ETS8#TRMPBF, "Low Noise Step-Down Switching Regulator, 123-8-pin TSOT, 0 to 85 degC", Manufacturer="Linear Technology", Supplier Part Number 1=LT3470ETS8#TRMPBFCT-ND, ComponentLink2Description=Datasheet, Mounting Technology="Surface Mount", Number of Outputs=1, RoHS=TRUE, Supplier 1=Digi-Key
U15: library part TL7660, Supplier Part Number 1=296-21856-1-ND, Created By=Jordan, LatestRevisionDate=17-Jul-2002, LatestRevisionNote="Re-released for DXP Platform.", Manufacturer Part No.=TL7660, Publisher="Altium Limited", Supplier 1=Digi-Key
U24: library part Si700XX, Supplier Part Number 1=336-3140-5-ND, Created on=2019/09/08, Made By="Andy Bates", Supplier 1=Digi-Key
U25: library part "MS560702BA03-50 Pressure Sensor", "1kPa to 120 kPa", Supplier Part Number 1=223-1198-1-ND, Created on=2017-09-11, Made By="Andy Bates", Supplier 1=Digi-Key
U26: Supplier Part Number 1=ISL83488IBZ-TCT-ND, Created on=2016/09/08, Made By="Andy Bates", Supplier 1=Digi-Key
Y1: "ARM Cortex-M4 32-bit MCU, 180 MHz, 320 KB Internal Rap, 81 I/O, 100-pin LQFP, -40 to 85 degC, Tray", Supplier Part Number 1=497-17009-ND, Core Size=32-bit, Supplier=Digikey, Supplier 1=Digi-Key
CN11: Created By="Andy Bates", Date Published=2017-09-13, Publisher=AUVic

## Via types
v1: diameter 20, hole 10, Top Layer to Bottom Layer, tented both sides, 165 vias

## Nets (pads, with @x,y where several pads share a name; then routed paths per layer and width w, separated by ;. In a path a pad name is that pad's centre, name@x,y a point inside that pad or via, vN(x,y) a via of type N, cw(c..) or ccw(c..) an arc to the next point about the centre after c; other vN are vias at no path point)
3V3: C5.2 C6.1 C12.1 C15.2 C16.1 C17.1 C22.2 C25.2 C29.2 C31.2 C32.2 C33.2 C35.1 C36.2 C37.2 C38.2 C39.2 C40.2 C41.2 C42.2 C43.2 CN11.1 CN11.2 CN11.3 CN11.4 CN13.1 D5.K D7.K D9.K D11.K D13.K D15.K D17.K D19.K JP2.2 L1.2 R11.2 R23.2 R56.2 R57.2 R58.2 R61.2 R66.1 R69.2 R70.2 R75.2 R76.2 R81.2 R82.2 R87.2 R88.2 R93.2 R94.2 R100.2 R101.2 R105.2 R106.2 R111.2 R116.2 U1.4 U2.4 U3.16 U4.1 U4.2 U4.6 U5.4 U6.5 U8.4 U10.7 U11.4 U14.4 U15.8 U17.4 U18.16 U20.5 U21.4 U24.5 U25.1 U25.2 U26.1 Y1.6 Y1.11 Y1.19 Y1.21 Y1.28 Y1.50 Y1.75 Y1.100 | length 33657.8
  Top Layer w8: v1(1376.6,2349.87) 1236.6,2349.87 ; v1(1421,2532.32) v1(1227.66,2532.32) 1227.66,2443.34 1236.6,2434.4 1236.6,2349.87 ; v1(1493,1993) 1459.87,1959.87 v1(1236.6,1959.87) 1236.6,2349.87 ; v1(1670.77,2566.43) U1.4@1670.77,2622.59 ; v1(1679.71,1993.98) U2.4@1679.71,2050.15 ; v1(1910.37,2088) 1910.37,2111.37 1960,2161 U3.16@1960,2209.33 C5.2@1960,2283.5 ; v1@1914,2088 2262,2088 2390,2216 v1(2413.37,2216) 2448,2216 2463,2201 U6.5@2463,2135.4 ; C6.1@1963,1432.5 1981.73,1413.77 U4.1@2024.63,1413.77 U4.2@2044.09,1413.77 ; v1(2004.94,2561.03) U5.4@2061.11,2561.03 ; v1(2005.83,2714.14) 2005.83,2944.17 1970.83,2979.17 v1(1970.83,3004.14) 2270.83,3004.14 2360.83,2914.14 v1(2360.83,2864.14) ; U4.6@2103.37,1587 v1(2103.37,1650) ; U4.6@2103.59,1587 2103.59,1550 ; R11.2@2168.54,1543 R11.2@2168,1542.46 2111.13,1542.46 ; v1(2613.72,2558.35) U8.4@2669.88,2558.35 ; v1(2614.61,2711.46) 2579.61,2746.46 v1(2579.61,3001.46) 2879.61,3001.46 2969.61,2911.46 v1(2969.61,2861.46) 3011.46,2861.46 3152.71,3002.71 v1(3187.81,3002.71) ; R23.2@3156.08,2112.81 R23.2@3168.27,2125 ; v1(3198,2730) 3198,2906 3187.81,2916.19 3187.81,2988.19 v1(3187.81,3002.71) ; v1(3221.92,2559.6) U11.4@3278.09,2559.6 ; U11.4@3278.72,2558.09 3346.91,2558.09 3370,2535 3370,2283 3395.06,2257.94 ; L1.2@3395.06,1964 L1.2@3395.56,1964.5 ; v1(3813,2804) 3813,2908 3794.5,2926.5 v1(3794.5,3001.37) ; v1(3828.61,2558.26) U14.4@3884.78,2558.26 ; v1(4133.37,2308) v1@4133.74,2308 ; C22.2@4231.14,2145.19 U15.8@4133.74,2145.19 v1@4133.74,2308 ; C22.2@4232.5,2144.5 C22.2@4232.5,2145 ; v1@4416.5,2819.5 4408.5,2819.5 4399.63,2828.37 v1(4399.63,3003.63) ; v1(4433.74,2560.52) U17.4@4489.91,2560.52 ; U18.16@4590.24,2158.82 C25.2@4510.24,2158.82 4510.24,2217.76 4420,2308 v1@4133.74,2308 ; v1(5043.5,2559.83) U21.4@5099.66,2559.83 ; Y1.75@5919.84,2042.01 5919.76,2041.93 C32.2@5919.76,1896.47 5919.76,1827.47 C33.2@5920.76,1826.47 6200.47,1826.47 v1(6218,1844) ; Y1.50@5982.83,2577.66 5982.83,2629.41 5955.26,2656.98 5605.35,2656.98 5492.32,2770 5432,2770 5356,2846 5066,2846 v1(5037,2817) 5033,2817 5009.39,2840.61 v1(5009.39,3002.94) ; CN13.1@6065.58,1405 6065.58,1328 6139.58,1254 6361,1254 6435.2,1328.2 6488.92,1328.2 R61.2@6498.12,1319 ; v1@6066,1038 2101,1038 2044.32,1094.68 U4.2@2044.32,1413.77 2044.32,1462.32 2103.59,1521.59 2103.59,1534.93 ; CN11.4@6283,3047 CN11.3@6183,3047 CN11.2@6083,3047 CN11.1@5983,3047 5738.5,3047 5554.44,2862.94 v1(5399.39,2862.94) 5399.39,2912.94 5309.39,3002.94 v1(5009.39,3002.94) ; U24.5@6389.83,1661.37 6366.37,1661.37 6357,1652 6357,1589 6389.5,1556.5 6389.5,1454.5 6411,1433 6411,1383 6433.46,1360.54 R58.2@6433.46,1329 ; v1(6395,1792) 6416.27,1792 C37.2@6455.27,1831 6455.49,1831.22 Y1.100@6455.49,1979.24 ; C36.2@6415.26,2672.98 6415.9,2672.34 Y1.28@6415.9,2577.66 6415.9,2545.9 6395,2525 6395,2421 6419.44,2396.56 Y1.19@6518.26,2396.56 6609.05,2396.56 C42.2@6640,2427.5 ; C36.2@6430,2663.5 v1@6489.5,2663.5 ; Y1.100@6455.27,1979.24 Y1.100@6455.49,1979.24 ; v1@6458.65,2140.65 Y1.6@6518.26,2140.65 C39.2@6606,2140.65 ; v1(6497,1980) 6496.24,1979.24 Y1.100@6455.49,1979.24 ; R61.2@6498.54,1330 6546.54,1282 6633,1282 6658,1257 6658,1134.41 C41.2@6614.95,1091.36 6539.09,1091.36 6538.95,1091.22 U25.2@6538.95,1140.43 ; Y1.11@6518.26,2239.08 6598.16,2239.08 C40.2@6598.76,2238.47 ; Y1.21@6518.26,2435.93 6621,2435.93 ; C39.2@6606,2141.5 C39.2@6608.5,2144 ; v1(6607,2301.19) 6607,2242.5 C40.2@6608.5,2241 C39.2@6608.5,2144 ; 6618,2435.5 6648.5,2435.5 6746.46,2533.46 R66.1@6784,2533.46 ; JP2.2@6931,2147 6611.5,2147 C39.2@6608.5,2144 ; 2103.59,1534.93 2111.13,1542.46 ; 2103.59,1534.93 2103.59,1542 ; 2103.59,1542 2104.06,1542.46 2111.13,1542.46 ; 2103.59,1542 2103.59,1550 ; 2103.59,1550 2111.13,1542.46 ; v1(3187.81,3002.71) 3487.81,3002.71 3577.81,2912.71 v1(3577.81,2862.71) 3606.71,2862.71 3745.37,3001.37 v1(3794.5,3001.37) ; v1(3794.5,3001.37) 4094.5,3001.37 4184.5,2911.37 v1(4184.5,2861.37) 4221.37,2861.37 4363.63,3003.63 v1(4399.63,3003.63) ; v1(4399.63,3003.63) 4699.63,3003.63 4789.63,2913.63 v1(4789.63,2863.63) 4823.63,2863.63 4962.94,3002.94 v1(5009.39,3002.94)
  Top Layer w10: C15.2@3394,2107 C15.2@3395.06,2107 ; C17.1@3483,1964.5 3632.5,1964.5 3676,1921 4407,1921 4436,1950 4436,2035 ; C22.2@4232.5,2144.5 4330,2047 4424,2047 ; v1(6065,1566) 5930,1701 5835.72,1701 5743,1793.72 5743,1917 5706,1954 5377,1954 5231,2100 U20.5@5106,2100 5106,2123 5091,2138 4991,2138 4900,2047 4448,2047 ; 4424,2047 4436,2035 ; 4424,2047 4436,2047 ; 4436,2035 4448,2047 ; 4436,2035 4436,2047 ; 4436,2047 4448,2047
  Top Layer w12: C15.2@3395.06,2077 3395.06,2107 3395.06,2257.94
  Top Layer w20: L1.2@3395.56,1964.5 C17.1@3483,1964.5
  Top Layer w48: L1.2@3395.06,1964 C15.2@3395.06,2077
  Bottom Layer w8: R116.2@1177,2415.54 1200.78,2439.32 v1(1232.26,2439.32) ; D19.K@1196.66,2587 1196.66,2563.32 v1(1227.66,2532.32) ; D17.K@1196.8,2034.87 1196.8,1999.68 v1(1236.6,1959.87) ; R111.2@1321.6,2349.87 v1(1376.6,2349.87) ; v1(1421,2532.32) 1484.44,2532.32 1518.55,2566.43 v1(1670.77,2566.43) 1814.77,2566.43 1863,2614.65 1863,2873.83 R106.2@1832.66,2904.17 ; v1(1493,1993) 1493.98,1993.98 v1(1679.71,1993.98) 1823.71,1993.98 1868.6,2038.87 1868.6,2079 ; R105.2@1839.81,2331.13 R105.2@1840.68,2332 ; R105.2@1841.6,2331.72 1868.6,2304.72 1868.6,2100 ; v1(1970.83,3004.14) 2010.64,3043.94 D15.K@2045.83,3043.94 ; v1(2005.83,2714.14) 2004.94,2713.25 v1(2004.94,2561.03) 2004.94,2461.06 2093.86,2372.14 2315.69,2372.14 R101.2@2341.71,2398.17 ; v1(2103.37,1650) 1915,1838.37 1915,2090 1878.6,2090 ; R101.2@2341.71,2399.82 R101.2@2341.71,2398.17 ; R101.2@2352.83,2388.99 R101.2@2342.69,2399.14 ; v1(2360.83,2864.14) R100.2@2360.83,2919.14 ; R100.2@2361.39,2919.5 2436.5,2919.5 2518.46,3001.46 v1(2579.61,3001.46) 2619.41,3041.26 D13.K@2654.61,3041.26 ; v1@2410,2220 2342.69,2287.31 R101.2@2342.69,2399.14 ; v1(2614.61,2711.46) 2613.72,2710.57 v1(2613.72,2558.35) 2613.72,2414.35 2658.61,2369.46 2924.46,2369.46 R94.2@2951.46,2396.46 ; v1(2969.61,2861.46) R93.2@2969.61,2916.46 ; v1(3187.81,3002.71) 3227.61,3042.51 D11.K@3262.81,3042.51 ; v1(3198,2730) 3203.74,2730 3221.92,2711.82 v1(3221.92,2559.6) 3221.92,2415.6 3266.81,2370.71 3532.66,2370.71 R88.2@3559.66,2397.71 ; v1(3577.81,2862.71) R87.2@3577.81,2917.71 ; v1(3794.5,3001.37) 3834.31,3041.17 D9.K@3869.5,3041.17 ; v1(3813,2804) 3813,2726.09 3828.61,2710.48 v1(3828.61,2558.26) 3828.61,2414.26 3873.5,2369.37 4139.35,2369.37 R82.2@4164.54,2394.56 ; v1(4133.37,2308) 4164.54,2339.17 R82.2@4164.54,2394.56 ; R82.2@4164.54,2395.89 R82.2@4164.54,2394.56 ; R82.2@4166.35,2396.37 R82.2@4164.54,2394.56 ; v1(4184.5,2861.37) R81.2@4184.5,2916.37 ; v1(4399.63,3003.63) 4439.43,3043.43 D7.K@4474.63,3043.43 ; v1(4413,2816) 4413,2733.48 4433.74,2712.74 v1(4433.74,2560.52) 4433.74,2416.52 4478.63,2371.63 4509,2371.63 ; 4509.46,2371.17 4509,2371.63 ; R76.2@4771.48,2398.63 4744.48,2371.63 4509,2371.63 ; v1(4789.63,2863.63) R75.2@4789.63,2918.63 ; v1(5009.39,3002.94) 5049.19,3042.74 D5.K@5084.39,3042.74 ; v1(5037,2817) 5043.5,2810.5 v1(5043.5,2559.83) 5043.5,2415.83 5088.39,2370.94 5354.24,2370.94 R70.2@5381.24,2397.94 ; v1(5399.39,2862.94) R69.2@5399.39,2917.94 ; v1(6065,1039) CN13.1@6065,1408 v1(6065,1566) ; v1@6217,1843 6285.5,1843 C43.2@6337.5,1791 C43.2@6338.68,1791 ; CN11.4@6283,3047 6490.5,2839.5 v1(6490.5,2661.69) 6505.31,2661.69 6613,2554 6613,2310 v1@6606,2303 ; U26.1@6338.68,1714.15 C43.2@6338.68,1791 ; C43.2@6338.68,1803.15 C43.2@6338.68,1791 ; v1@6394,1791 C43.2@6338.68,1791 ; v1(6450,2140.19) 6450,1994 6464,1980 v1@6489,1980 ; 1868.6,2079 1868.6,2090 ; 1868.6,2079 1878.6,2089 1878.6,2090 ; 1868.6,2090 1878.6,2090 ; 1868.6,2090 1868.6,2100 ; 1868.6,2100 1878.6,2090 ; R101.2@2341.71,2398.17 R101.2@2342.69,2399.14
10k_Therm_M1: CN1.5 R112.2 | length 199.7
  Bottom Layer w10: R112.2@1266.6,2189.87 1306.6,2149.87 1381.6,2149.87 1421.6,2189.87 1431.87,2189.87 CN1.5@1431.87,2191.13
10k_Therm_M2: CN2.5 R114.2 | length 197
  Bottom Layer w10: R114.2@1261.66,2742.32 1298.46,2705.51 1388.8,2705.51 1403.48,2720.2 1404.82,2720.2 1426.94,2742.32 CN2.5@1426.94,2743.57
10k_Therm_M3: CN5.5 R102.2 | length 199.7
  Bottom Layer w10: R102.2@2200.83,2974.14 2160.83,2934.14 2160.83,2859.14 2200.83,2819.14 2200.83,2808.87 CN5.5@2202.09,2808.87
10k_Therm_M4: CN6.5 R96.2 | length 199.7
  Bottom Layer w10: R96.2@2809.61,2971.46 2769.61,2931.46 2769.61,2856.46 2809.61,2816.46 2809.61,2806.18 CN6.5@2810.87,2806.18
10k_Therm_M5: CN7.5 R90.2 | length 199.7
  Bottom Layer w10: R90.2@3417.81,2972.71 3377.81,2932.71 3377.81,2857.71 3417.81,2817.71 3417.81,2807.43 CN7.5@3419.07,2807.43